# Altium PCB layer_template.PcbDoc
Units mm, origin at the board's own origin, x right, y up, seen from the top; angles counter-clockwise.
Board outline 50 x 50 mm, 2 copper layers (Top Layer, Bottom Layer); 8 components, 41 nets, 104 pads, 40 vias.
Unrouted connection lines stored in the file: 4.
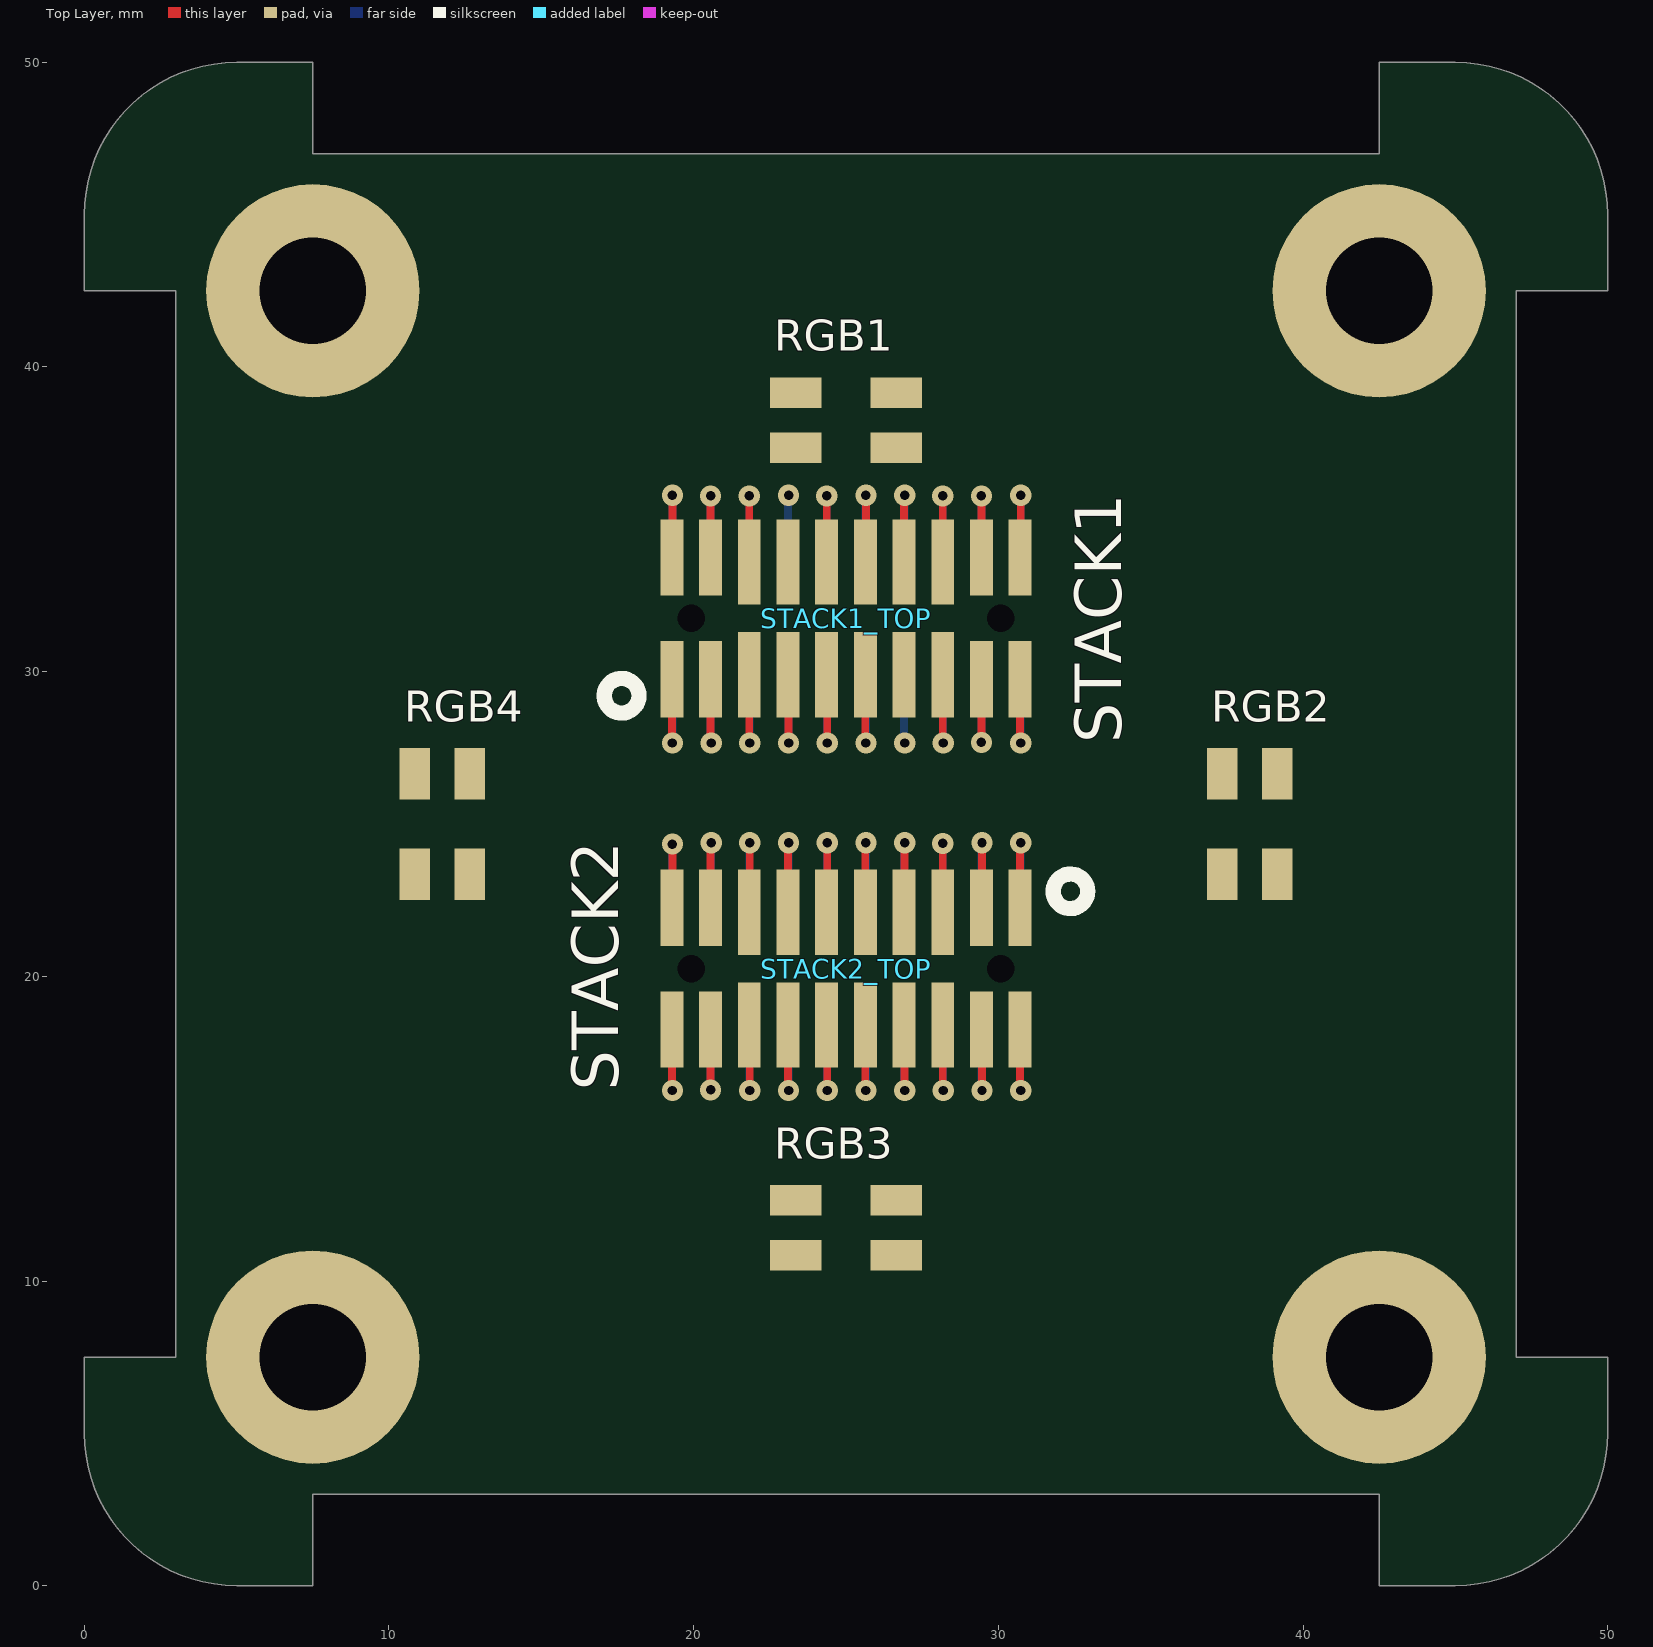
[diagram p0: Top Layer view]
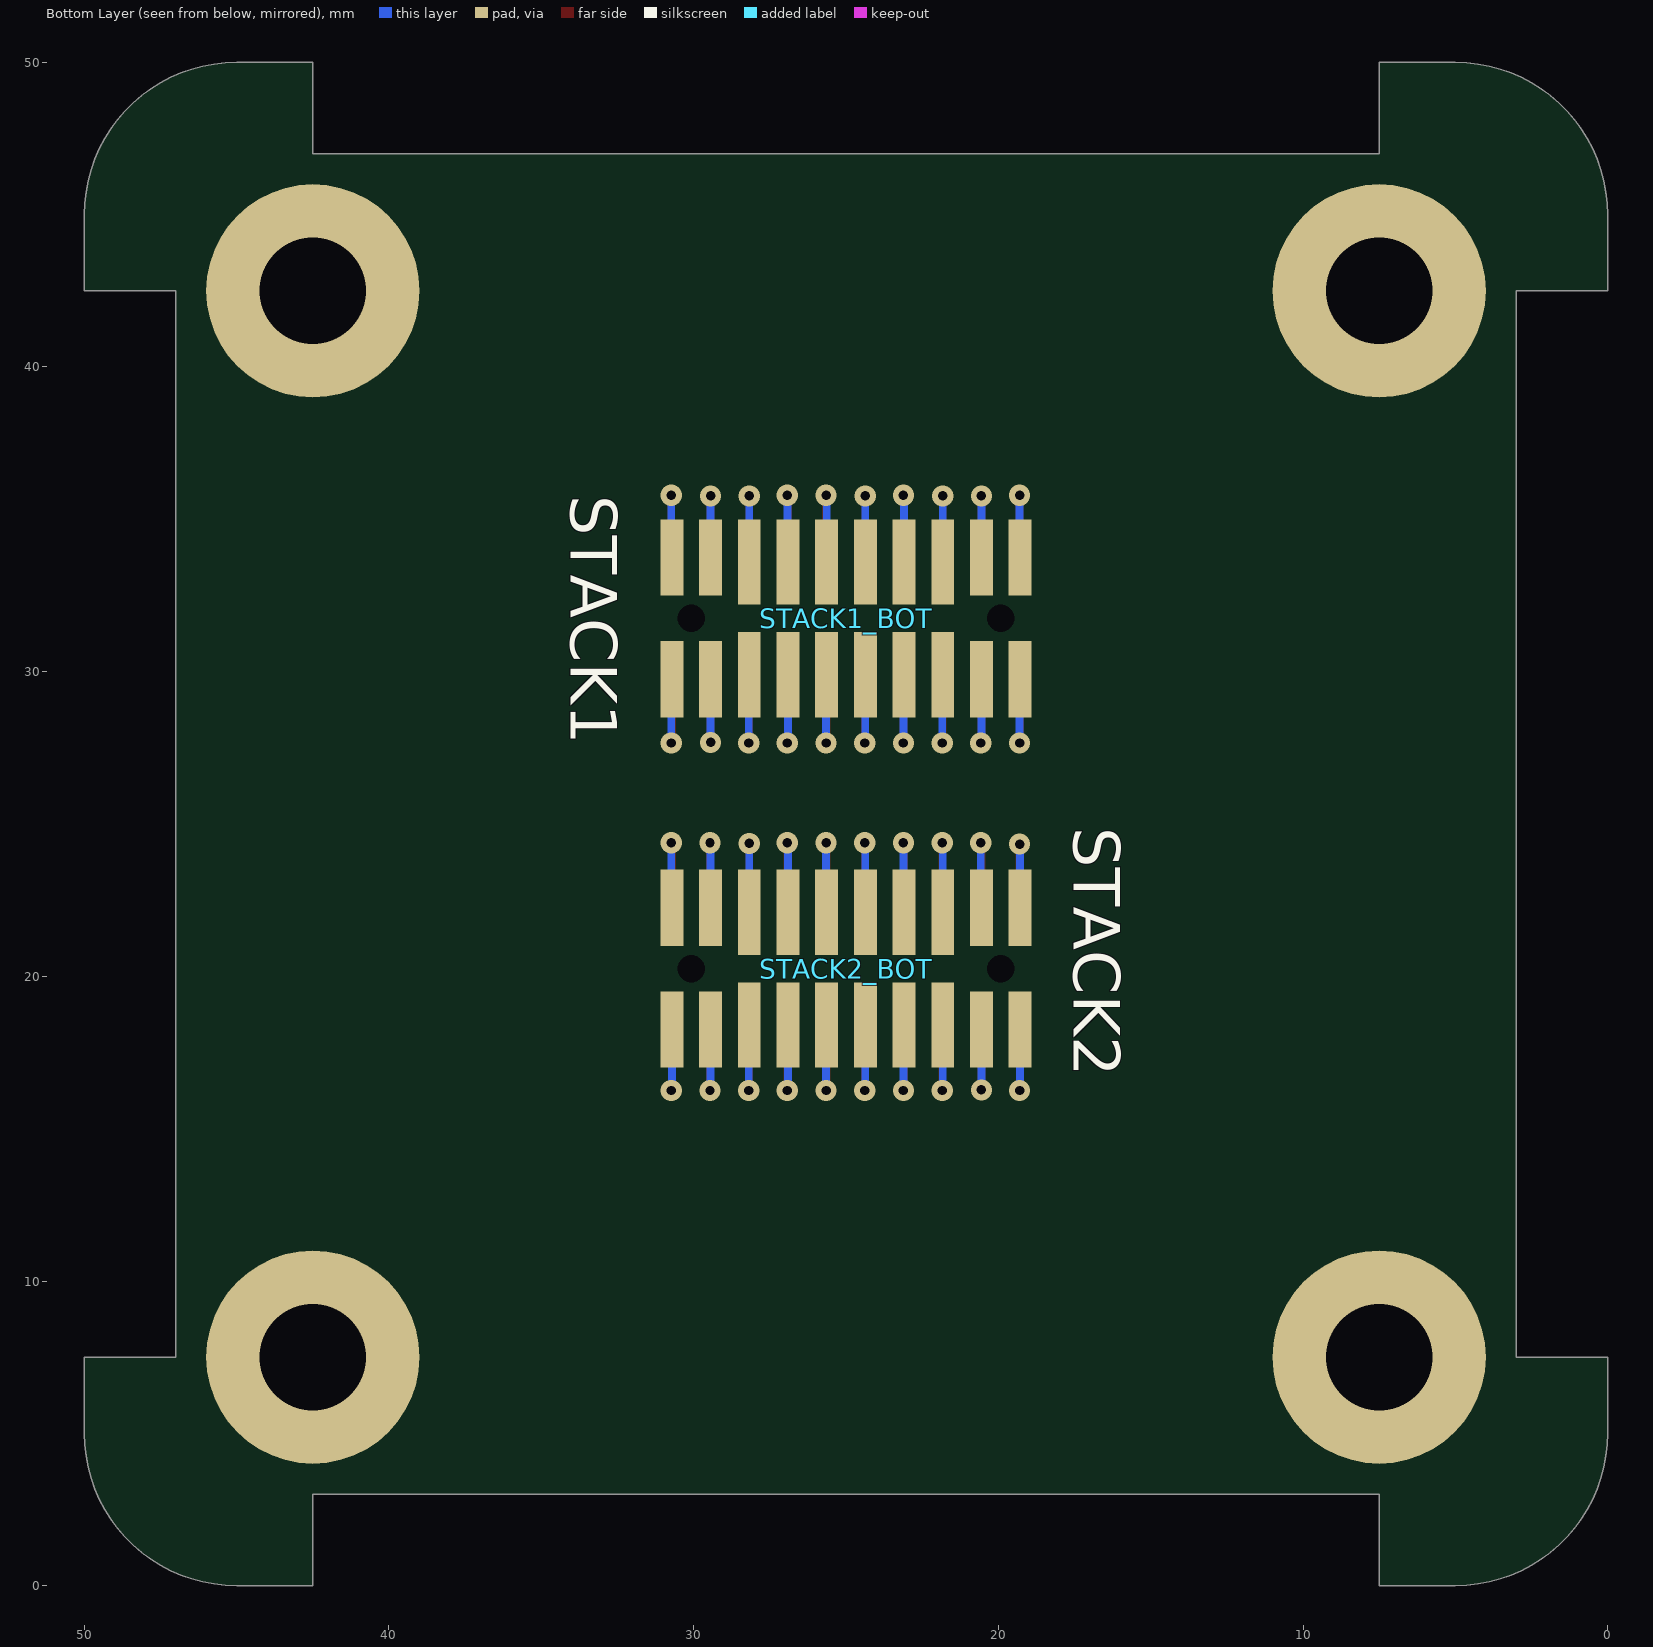
[diagram p1: Bottom Layer view, seen from below]

## Layer stack, top to bottom
Top Solder: solder mask 0.0102, Solder Resist, Dk 3.5
Top Layer: signal copper 0.0356
Dielectric 1: dielectric 0.32, FR-4, Dk 4.8
Bottom Layer: signal copper 0.0356
Bottom Solder: solder mask 0.0102, Solder Resist, Dk 3.5

## Board outline
5,0 cw(c5,5) 0,5 0,7.5 3,7.5 3,42.5 0,42.5 0,45 cw(c5,45) 5,50 7.5,50 7.5,47 42.5,47 42.5,50 45,50 cw(c45,45) 50,45 50,42.5 47,42.5 47,7.5 50,7.5 50,5 cw(c45,5) 45,0 42.5,0 42.5,3 7.5,3 7.5,0

## Design rules (kind name [scope] priority, off if disabled: settings)
Clearance [All] p1: gap=0.152
HoleSize [All] p1: absolutevalues=TRUE maxlimit=6 minlimit=0.025 maxpercent=80.000 minpercent=20.000
MinimumSolderMaskSliver [All] p1: minsoldermaskwidth=0.1
PolygonConnect [All] p1: connectstyle=Relief reliefconductorwidth=0.254 reliefentries=4 polygonreliefangle="90 Angle" airgapwidth=0.254
RoutingVias [All] p1: holewidth=0.4 width=0.7 viastyle="Through Hole" minholewidth=0.31 minwidth=0.61 maxholewidth=6.3 maxwidth=6.35
SolderMaskExpansion [All] p1: expansion=0.102
Width [All] p1: maxlimit=0.813 minlimit=0.152 preferedwidth=0.305
27 further rules are at their usual default settings.

## Components (designator, comment, footprint, x,y, rotation, side; value= is the part's Value field where it differs from the comment)
RGB1 "" 3528_RGB_LED 25,38.25 r180 top
RGB2 "" 3528_RGB_LED 38.25,25 r90 top
RGB3 "" 3528_RGB_LED 25,11.75 r180 top
RGB4 "" 3528_RGB_LED 11.75,25 r270 top
STACK1_BOT "STACK1" HEADER_2X10_SMD_1.27MM_TOP_NOHOLES 25,31.75 r180 bottom
STACK1_TOP "STACK1" HEADER_2X10_SMD_1.27MM_TOP#1 25,31.75 r0 top
STACK2_BOT "STACK2" HEADER_2X10_SMD_1.27MM_TOP_NOHOLES 25,20.25 r0 bottom
STACK2_TOP "STACK2" HEADER_2X10_SMD_1.27MM_TOP#2 25,20.25 r180 top

## Footprints (in the part's own frame and the unit in brackets; to place one, negate y for a bottom-side part, rotate by r counter-clockwise, add the part's x,y. Pads: shape width x height; smd on the part's side, far side on the other; paste and mask are expansions set on the pad)
3528_RGB_LED [mm] "3528 RGB LED"
  rect 1.7x1 smd: 1(-1.65,0.9) 2(1.65,0.9) 3(-1.65,-0.9) 4(1.65,-0.9)
HEADER_2X10_SMD_1.27MM_TOP#1 [mm]
  rect 0.75x2.5 smd: 1(-5.715,-2) 2(-5.715,2) 3(-4.445,-2) 4(-4.445,2) 17(4.445,-2) 18(4.445,2) 19(5.715,-2) 20(5.715,2)
  rect 0.75x2.8 smd: 5(-3.175,-1.85) 6(-3.175,1.85) 7(-1.905,-1.85) 8(-1.905,1.85) 9(-0.635,-1.85) 10(-0.635,1.85) 11(0.635,-1.85) 12(0.635,1.85) 13(1.905,-1.85) 14(1.905,1.85) 15(3.175,-1.85) 16(3.175,1.85)
  round 0 hole 0.9 unplated paste+0 mask+0: 21(-5.08,0) 22(5.08,0)
  silkscreen extent -7.93,-3.11 -6.8,-1.97
HEADER_2X10_SMD_1.27MM_TOP#2 [mm]
  rect 0.75x2.5 smd: 1(-5.715,-2) 2(-5.715,2) 3(-4.445,-2) 4(-4.445,2) 17(4.445,-2) 18(4.445,2) 19(5.715,-2) 20(5.715,2)
  rect 0.75x2.8 smd: 5(-3.175,-1.85) 6(-3.175,1.85) 7(-1.905,-1.85) 8(-1.905,1.85) 9(-0.635,-1.85) 10(-0.635,1.85) 11(0.635,-1.85) 12(0.635,1.85) 13(1.905,-1.85) 14(1.905,1.85) 15(3.175,-1.85) 16(3.175,1.85)
  round 0 hole 0.9 unplated: 21(-5.08,0) 22(5.08,0)
  silkscreen extent -7.93,-3.11 -6.8,-1.97
HEADER_2X10_SMD_1.27MM_TOP_NOHOLES [mm]
  rect 0.75x2.5 smd: 1(5.715,-2) 2(5.715,2) 3(4.445,-2) 4(4.445,2) 17(-4.445,-2) 18(-4.445,2) 19(-5.715,-2) 20(-5.715,2)
  rect 0.75x2.8 smd: 5(3.175,-1.85) 6(3.175,1.85) 7(1.905,-1.85) 8(1.905,1.85) 9(0.635,-1.85) 10(0.635,1.85) 11(-0.635,-1.85) 12(-0.635,1.85) 13(-1.905,-1.85) 14(-1.905,1.85) 15(-3.175,-1.85) 16(-3.175,1.85)

## Free pads (board coordinates)
  round 7 hole 3.5 unplated: post1(7.5,42.5) post2(42.5,42.5) post3(7.5,7.5) post4(42.5,7.5)

## Via types
v1: diameter 0.7, hole 0.31, Top Layer to Bottom Layer, 40 vias

## Nets (pads, with @x,y where several pads share a name; then routed paths per layer and width w, separated by ;. In a path a pad name is that pad's centre, name@x,y a point inside that pad or via, vN(x,y) a via of type N, cw(c..) or ccw(c..) an arc to the next point about the centre after c; other vN are vias at no path point)
GND: pad.post1 pad.post2 pad.post3 pad.post4
STACK_1_1: STACK1_BOT.1 STACK1_TOP.1 | length 4.5
  Top Layer w0.254: STACK1_TOP.1@19.285,29.9 STACK1_TOP.1 19.285,27.677 v1(19.304,27.658)
  Bottom Layer w0.254: STACK1_BOT.1@19.285,29.9 19.304,29.881 v1(19.304,27.658)
STACK_1_2: STACK1_BOT.2 STACK1_TOP.2 | length 4.4
  Top Layer w0.254: STACK1_TOP.2@19.304,33.6 v1(19.304,35.786)
  Bottom Layer w0.254: STACK1_BOT.2@19.285,33.6 19.304,33.619 v1(19.304,35.786)
STACK_1_3: STACK1_BOT.3 STACK1_TOP.3 | length 4.5
  Top Layer w0.254: STACK1_TOP.3@20.555,29.9 STACK1_TOP.3 20.555,27.677 v1(20.574,27.658)
  Bottom Layer w0.254: STACK1_BOT.3@20.555,29.9 STACK1_BOT.3 20.555,27.677 v1(20.574,27.658)
STACK_1_4: STACK1_BOT.4 STACK1_TOP.4 | length 4.3
  Top Layer w0.254: STACK1_TOP.4@20.555,33.6 v1(20.555,35.767)
  Bottom Layer w0.254: STACK1_BOT.4@20.555,33.6 v1(20.555,35.767)
STACK_1_5: STACK1_BOT.5 STACK1_TOP.5 | length 4.5
  Top Layer w0.254: STACK1_TOP.5 21.825,27.677 v1(21.844,27.658)
  Bottom Layer w0.254: v1(21.844,27.658) STACK1_BOT.5@21.844,29.944
STACK_1_6: STACK1_BOT.6 STACK1_TOP.6 | length 4.3
  Top Layer w0.254: STACK1_TOP.6 v1(21.825,35.767)
  Bottom Layer w0.254: STACK1_BOT.6 v1(21.825,35.767)
STACK_1_7: STACK1_BOT.7 STACK1_TOP.7 | length 4.5
  Top Layer w0.254: v1(23.114,27.658) STACK1_TOP.7@23.114,29.944
  Bottom Layer w0.254: STACK1_BOT.7 23.114,29.881 v1(23.114,27.658)
STACK_1_8: STACK1_BOT.8 STACK1_TOP.8 | length 2.2
  Bottom Layer w0.254: STACK1_BOT.8 23.095,35.767 v1(23.114,35.786)
STACK_1_9: STACK1_BOT.9 STACK1_TOP.9 | length 4.5
  Top Layer w0.254: STACK1_TOP.9 24.384,29.881 v1(24.384,27.658)
  Bottom Layer w0.254: STACK1_BOT.9 24.365,27.677 v1(24.384,27.658)
STACK_1_10: STACK1_BOT.10 STACK1_TOP.10 | length 4.3
  Top Layer w0.254: STACK1_TOP.10 v1(24.365,35.767)
  Bottom Layer w0.254: STACK1_BOT.10 v1(24.365,35.767)
STACK_1_11: STACK1_BOT.11 STACK1_TOP.11 | length 4.5
  Top Layer w0.254: STACK1_TOP.11 25.635,27.677 v1(25.654,27.658)
  Bottom Layer w0.254: STACK1_BOT.11 25.654,29.881 v1(25.654,27.658)
STACK_1_12: STACK1_BOT.12 STACK1_TOP.12 | length 4.4
  Top Layer w0.254: STACK1_TOP.12 25.654,33.619 v1(25.654,35.786)
  Bottom Layer w0.254: STACK1_BOT.12 25.635,35.767 v1(25.654,35.786)
STACK_1_13: STACK1_BOT.13 | length 2.2
  Bottom Layer w0.254: STACK1_BOT.13 26.905,27.677 v1(26.924,27.658)
STACK_1_14: STACK1_BOT.14 STACK1_TOP.14 | length 4.4
  Top Layer w0.254: STACK1_TOP.14 26.905,35.767 v1(26.924,35.786)
  Bottom Layer w0.254: STACK1_BOT.14 26.924,33.619 v1(26.924,35.786)
STACK_1_15: STACK1_BOT.15 STACK1_TOP.15 | length 4.5
  Top Layer w0.254: STACK1_TOP.15 28.175,27.677 v1(28.194,27.658)
  Bottom Layer w0.254: STACK1_BOT.15 28.194,29.881 v1(28.194,27.658)
STACK_1_16: STACK1_BOT.16 STACK1_TOP.16 | length 4.3
  Top Layer w0.254: STACK1_TOP.16 v1(28.175,35.767)
  Bottom Layer w0.254: STACK1_BOT.16 v1(28.175,35.767)
STACK_1_17: STACK1_BOT.17 STACK1_TOP.17 | length 4.4
  Top Layer w0.254: v1(29.445,27.677) STACK1_TOP.17 STACK1_TOP.17@29.445,29.9
  Bottom Layer w0.254: v1(29.445,27.677) STACK1_BOT.17 STACK1_BOT.17@29.445,29.9
STACK_1_18: STACK1_BOT.18 STACK1_TOP.18 | length 4.3
  Top Layer w0.254: STACK1_TOP.18@29.445,33.6 v1(29.445,35.767)
  Bottom Layer w0.254: STACK1_BOT.18@29.445,33.6 v1(29.445,35.767)
STACK_1_19: STACK1_BOT.19 STACK1_TOP.19 | length 4.5
  Top Layer w0.254: STACK1_TOP.19@30.715,29.9 STACK1_TOP.19 30.715,27.677 v1(30.734,27.658)
  Bottom Layer w0.254: STACK1_BOT.19@30.715,29.9 30.734,29.881 v1(30.734,27.658)
STACK_1_20: STACK1_BOT.20 STACK1_TOP.20 | length 4.4
  Top Layer w0.254: STACK1_TOP.20@30.715,33.6 30.734,33.619 v1(30.734,35.786)
  Bottom Layer w0.254: STACK1_BOT.20@30.715,33.6 30.734,33.619 v1(30.734,35.786)
STACK_2_1: STACK2_BOT.1 STACK2_TOP.1 | length 4.6
  Top Layer w0.254: STACK2_TOP.1@30.715,22.1 30.715,24.361 v1(30.734,24.38)
  Bottom Layer w0.254: STACK2_BOT.1@30.715,22.1 30.734,22.119 v1(30.734,24.38)
STACK_2_2: STACK2_BOT.2 STACK2_TOP.2 | length 4.3
  Top Layer w0.254: STACK2_TOP.2@30.715,18.4 30.715,16.271 v1(30.734,16.252)
  Bottom Layer w0.254: STACK2_BOT.2@30.715,18.4 30.715,16.271 v1(30.734,16.252)
STACK_2_3: STACK2_BOT.3 STACK2_TOP.3 | length 4.6
  Top Layer w0.254: STACK2_TOP.3@29.445,22.1 29.464,22.119 v1(29.464,24.38)
  Bottom Layer w0.254: STACK2_BOT.3@29.445,22.1 29.445,24.361 v1(29.464,24.38)
STACK_2_4: STACK2_BOT.4 STACK2_TOP.4 | length 4.3
  Top Layer w0.254: STACK2_TOP.4@29.445,18.4 29.464,18.381 v1(29.464,16.252)
  Bottom Layer w0.254: STACK2_BOT.4@29.445,18.4 29.445,16.271 v1(29.464,16.252)
STACK_2_5: STACK2_BOT.5 STACK2_TOP.5 | length 4.5
  Top Layer w0.254: STACK2_TOP.5 v1(28.175,24.361)
  Bottom Layer w0.254: STACK2_BOT.5 v1(28.175,24.361)
STACK_2_6: STACK2_BOT.6 STACK2_TOP.6 | length 4.3
  Top Layer w0.254: STACK2_TOP.6 28.175,16.271 v1(28.194,16.252)
  Bottom Layer w0.254: STACK2_BOT.6 28.194,18.381 v1(28.194,16.252)
STACK_2_7: STACK2_BOT.7 STACK2_TOP.7 | length 4.6
  Top Layer w0.254: STACK2_TOP.7 26.924,22.119 v1(26.924,24.38)
  Bottom Layer w0.254: STACK2_BOT.7 26.905,24.361 v1(26.924,24.38)
STACK_2_8: STACK2_BOT.8 STACK2_TOP.8 | length 4.3
  Top Layer w0.254: STACK2_TOP.8 26.924,18.381 v1(26.924,16.252)
  Bottom Layer w0.254: STACK2_BOT.8 26.905,16.271 v1(26.924,16.252)
STACK_2_9: STACK2_BOT.9 STACK2_TOP.9 | length 4.6
  Top Layer w0.254: STACK2_TOP.9 25.635,24.361 v1(25.654,24.38)
  Bottom Layer w0.254: STACK2_BOT.9 25.654,22.119 v1(25.654,24.38)
STACK_2_10: STACK2_BOT.10 STACK2_TOP.10 | length 4.4
  Top Layer w0.254: STACK2_TOP.10 25.635,16.271 v1(25.654,16.252)
  Bottom Layer w0.254: v1(25.654,16.252) STACK2_BOT.10@25.654,18.538
STACK_2_11: STACK2_BOT.11 STACK2_TOP.11 | length 4.6
  Top Layer w0.254: STACK2_TOP.11 24.384,22.119 v1(24.384,24.38)
  Bottom Layer w0.254: STACK2_BOT.11 24.365,24.361 v1(24.384,24.38)
STACK_2_12: STACK2_BOT.12 STACK2_TOP.12 | length 4.3
  Top Layer w0.254: STACK2_TOP.12 24.384,18.381 v1(24.384,16.252)
  Bottom Layer w0.254: STACK2_BOT.12 24.365,16.271 v1(24.384,16.252)
STACK_2_13: STACK2_BOT.13 STACK2_TOP.13 | length 4.6
  Top Layer w0.254: STACK2_TOP.13 23.095,24.361 v1(23.114,24.38)
  Bottom Layer w0.254: STACK2_BOT.13 23.114,22.119 v1(23.114,24.38)
STACK_2_14: STACK2_BOT.14 STACK2_TOP.14 | length 4.3
  Top Layer w0.254: STACK2_TOP.14 23.095,16.271 v1(23.114,16.252)
  Bottom Layer w0.254: STACK2_BOT.14 23.114,18.381 v1(23.114,16.252)
STACK_2_15: STACK2_BOT.15 STACK2_TOP.15 | length 4.6
  Top Layer w0.254: STACK2_TOP.15 21.844,22.119 v1(21.844,24.38)
  Bottom Layer w0.254: STACK2_BOT.15 21.825,24.361 v1(21.844,24.38)
STACK_2_16: STACK2_BOT.16 STACK2_TOP.16 | length 4.3
  Top Layer w0.254: STACK2_TOP.16 21.844,18.381 v1(21.844,16.252)
  Bottom Layer w0.254: STACK2_BOT.16 21.825,16.271 v1(21.844,16.252)
STACK_2_17: STACK2_BOT.17 STACK2_TOP.17 | length 4.6
  Top Layer w0.254: STACK2_TOP.17@20.555,22.1 STACK2_TOP.17 20.555,24.361 v1(20.574,24.38)
  Bottom Layer w0.254: STACK2_BOT.17@20.555,22.1 20.574,22.119 v1(20.574,24.38)
STACK_2_18: STACK2_BOT.18 STACK2_TOP.18 | length 4.3
  Top Layer w0.254: v1(20.555,16.271) STACK2_TOP.18@20.555,18.4
  Bottom Layer w0.254: v1(20.555,16.271) STACK2_BOT.18@20.555,18.4
STACK_2_19: STACK2_BOT.19 STACK2_TOP.19 | length 4.4
  Top Layer w0.254: STACK2_TOP.19@19.285,22.1 19.304,22.119 v1(19.304,24.342)
  Bottom Layer w0.254: STACK2_BOT.19 19.285,24.342 v1(19.304,24.342)
STACK_2_20: STACK2_BOT.20 STACK2_TOP.20 | length 4.3
  Top Layer w0.254: STACK2_TOP.20@19.285,18.4 19.285,16.271 v1(19.304,16.252)
  Bottom Layer w0.254: STACK2_BOT.20@19.285,18.4 19.285,16.271 v1(19.304,16.252)
pads on no net: RGB1.1 RGB1.2 RGB1.3 RGB1.4 RGB2.1 RGB2.2 RGB2.3 RGB2.4 RGB3.1 RGB3.2 RGB3.3 RGB3.4 RGB4.1 RGB4.2 RGB4.3 RGB4.4 STACK1_TOP.13 STACK1_TOP.21 STACK1_TOP.22 STACK2_TOP.21 STACK2_TOP.22

## Silkscreen, mask and mechanical layers (free items; w line width, h text height)
Mechanical 1:
  lines w0.254: 20.555,33.619 20.574,33.6 ; 23.114,33.6 23.114,35.786 ; 26.924,27.658 26.924,29.9 ; 0,5 ccw(c5,5) 5,0 7.5,0 7.5,3 42.5,3 42.5,0 45,0 ccw(c45,5) 50,5 50,7.5 47,7.5 47,42.5 50,42.5 50,45 ccw(c45,45) 45,50 42.5,50 42.5,47 7.5,47 7.5,50 5,50 ccw(c5,45) 0,45 0,42.5 3,42.5 3,7.5 0,7.5 0,5
Mechanical 3:
  lines w0.254: 24.746,25 25.254,25 ; 25,24.746 25,25.254
  text "25,25 (mm)" at 25.254,25 h1.52

## Dimensions
42.5,50 to 42.5,0 on Mechanical 3
0,45 to 50,45 on Mechanical 3